# Altium PCB ESP32_S3_PCB.PcbDoc
Units mm, origin at the board's own origin, x right, y up, seen from the top; angles counter-clockwise.
Board outline 63.88 x 28.17 mm, 4 copper layers (Top Layer, GND, Power, Bottom Layer), stack 1.28 mm thick; 47 components, 55 nets, 237 pads, 120 vias.
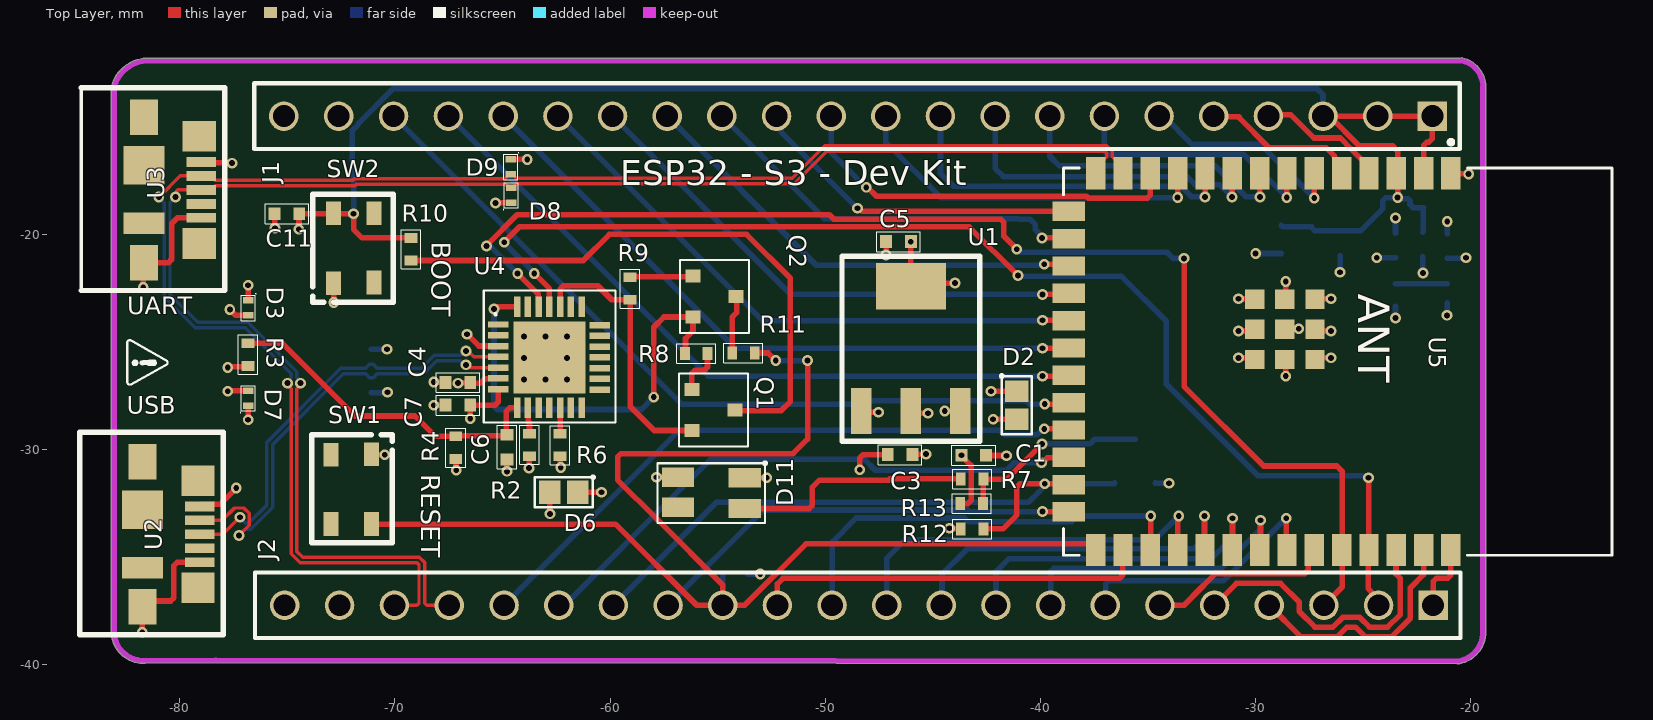
[diagram p0: Top Layer view]
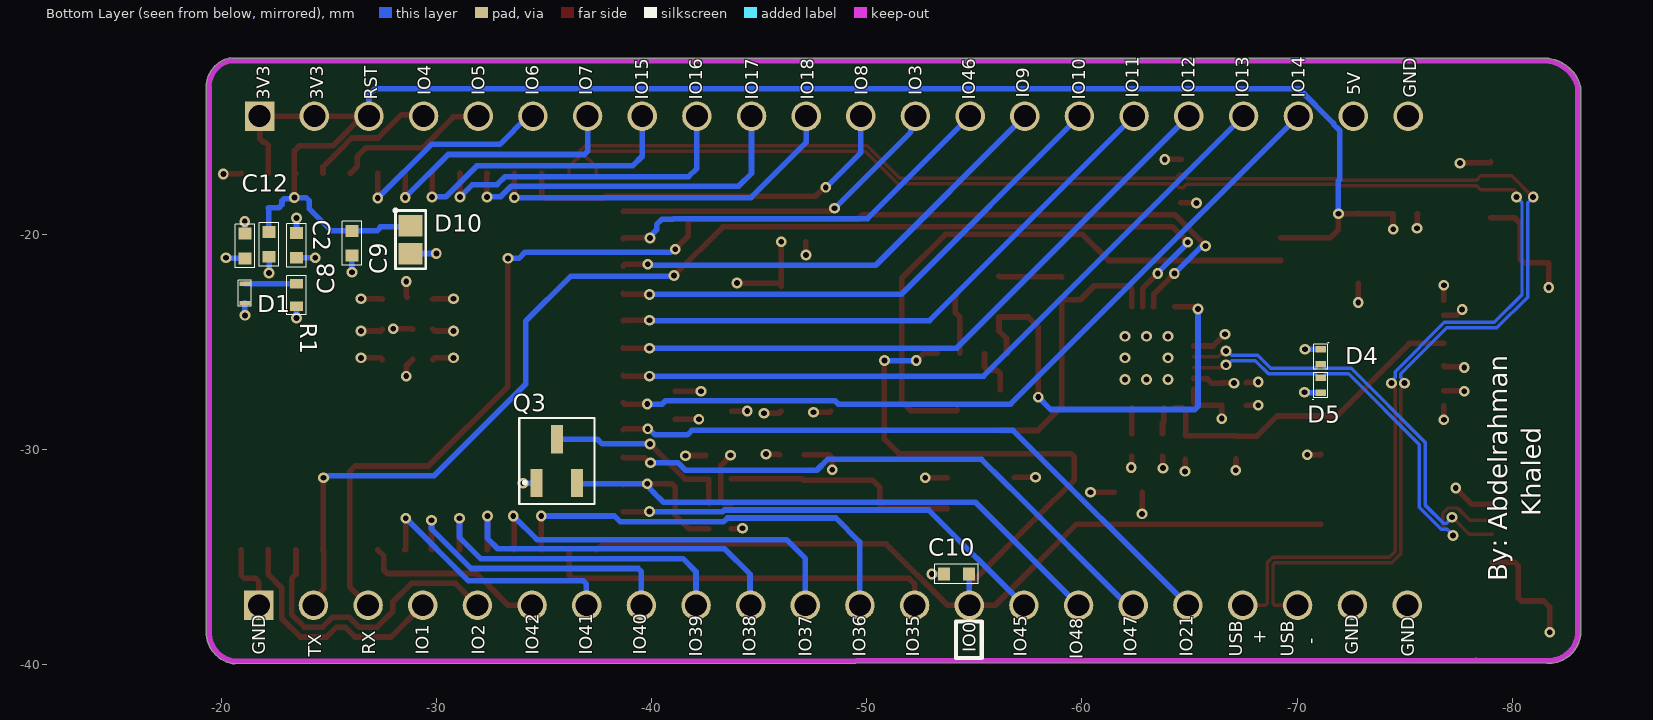
[diagram p1: Bottom Layer view, seen from below]
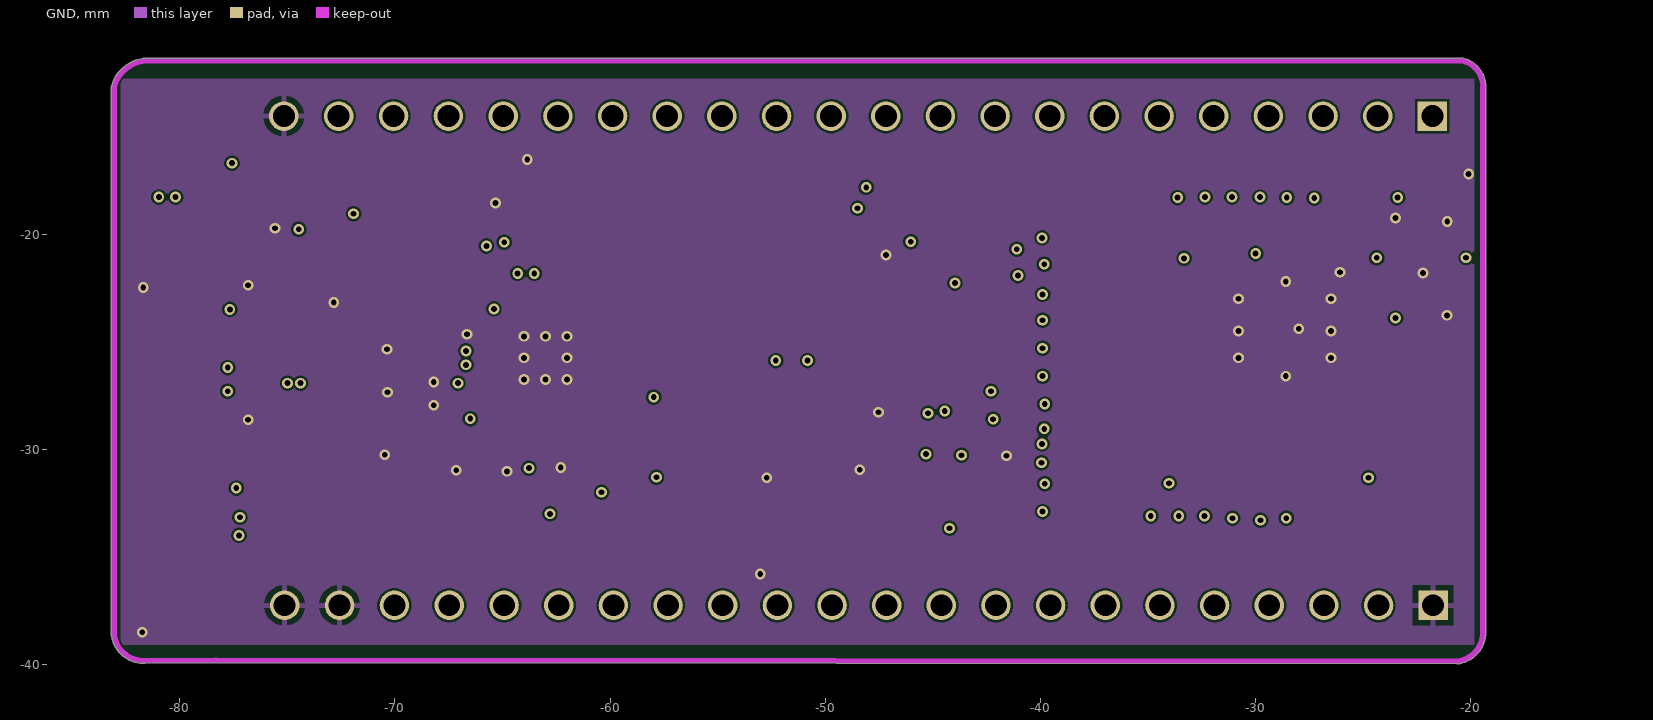
[diagram p2: GND]
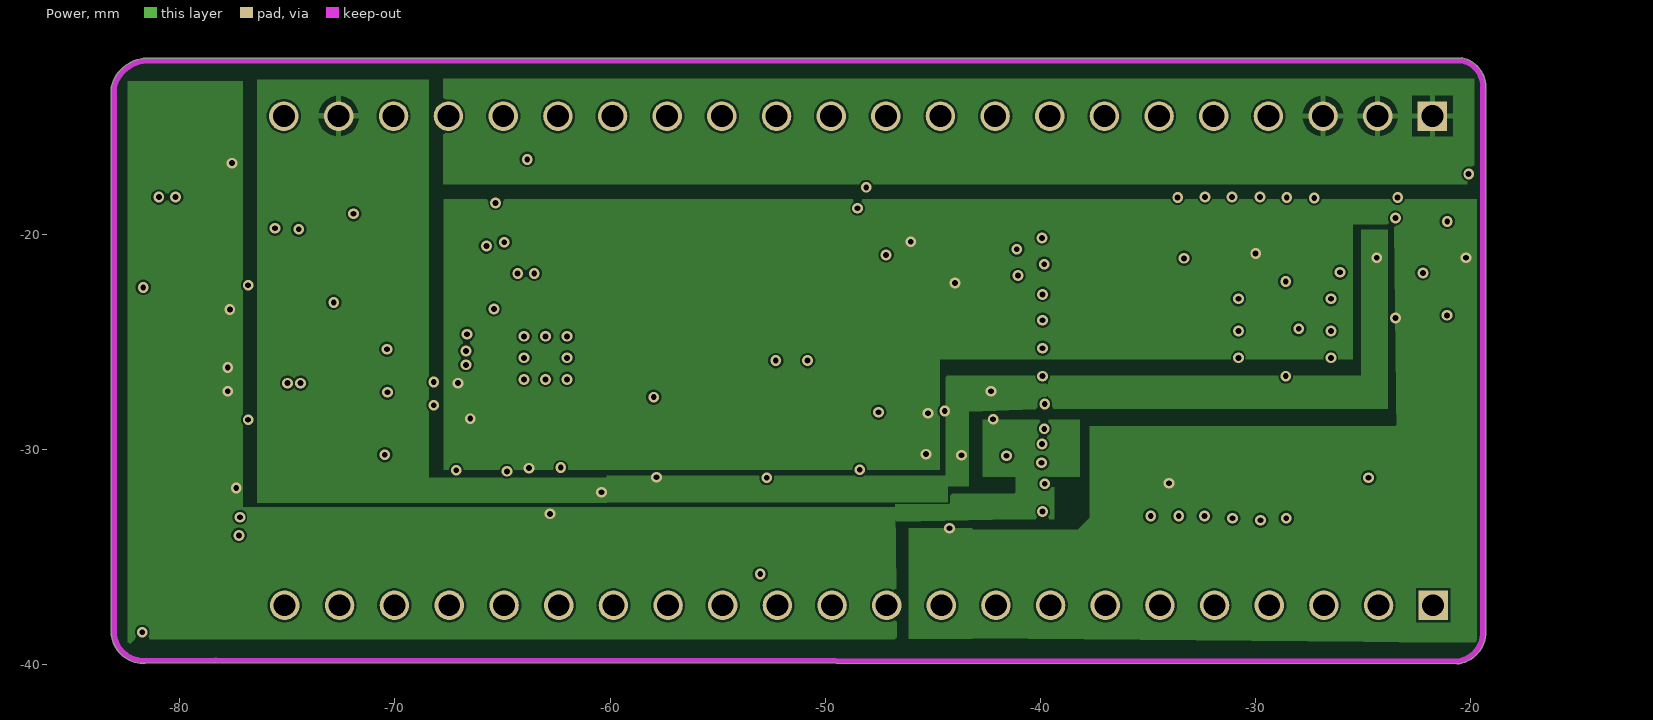
[diagram p3: Power]
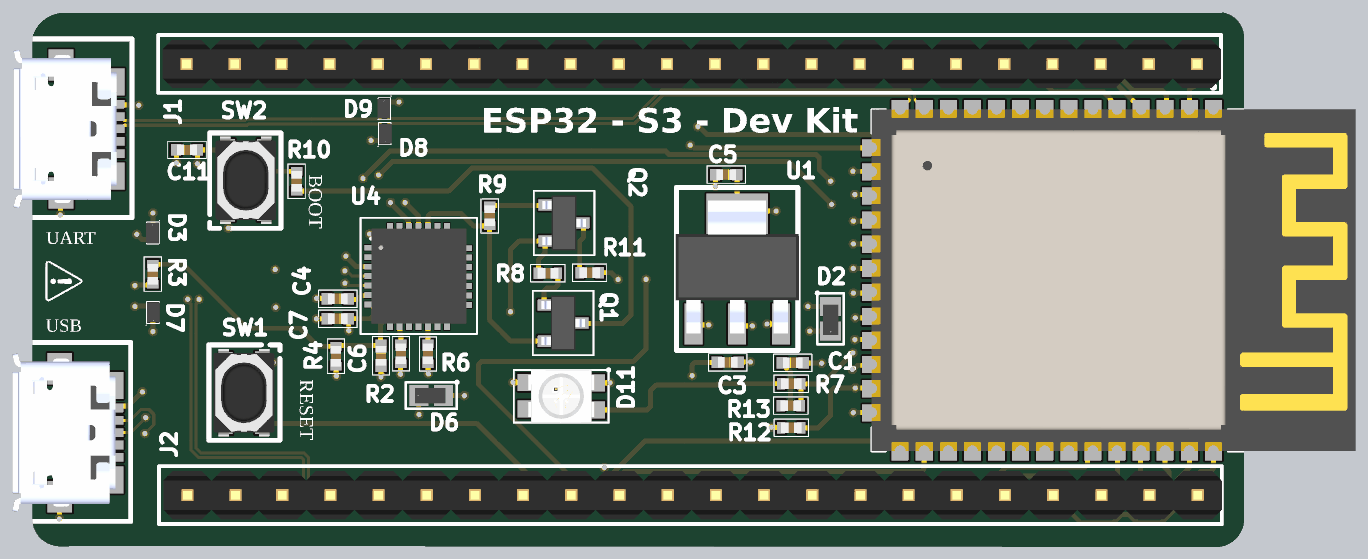
[diagram p4: 3D render of the assembled board from above, using the file's embedded part models]
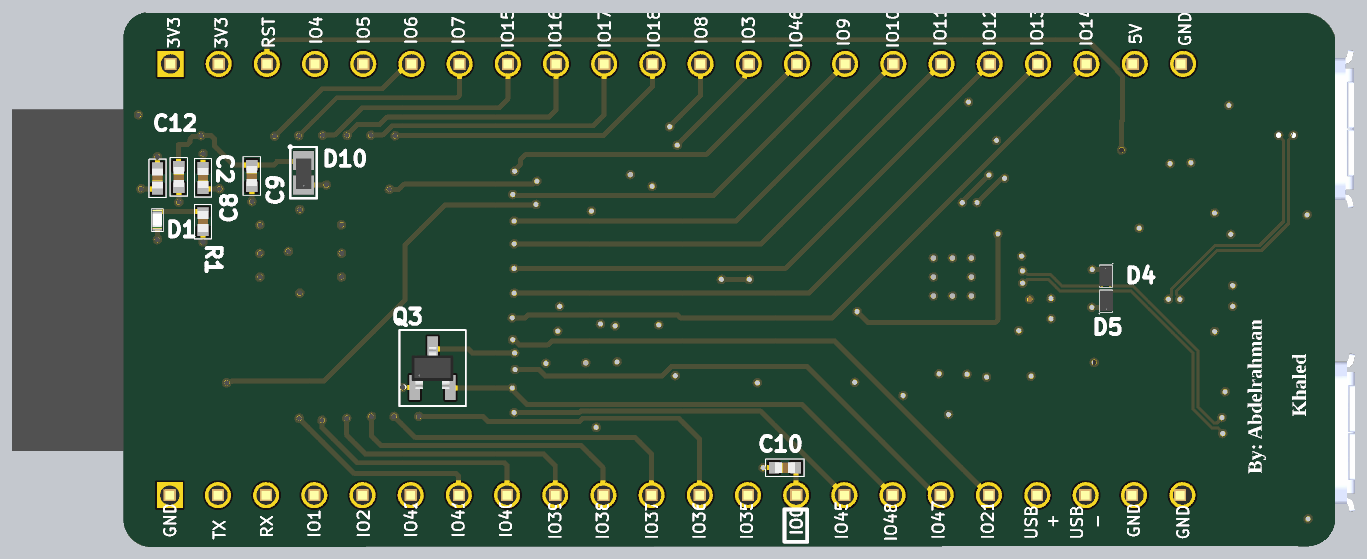
[diagram p5: 3D render of the assembled board from below, using the file's embedded part models]

## Layer stack, top to bottom
Top Solder: solder mask 0.0102, Solder Resist, Dk 3.5
Top Layer: signal copper 0.05
Dielectric 2: prepreg 0.19, PP-006, Dk 4.45
GND: signal copper 0.03
Dielectric 1: core 0.74, FR-4, Dk 4.6
Power: signal copper 0.03
Dielectric 3: prepreg 0.19, PP-006, Dk 4.45
Bottom Layer: signal copper 0.05
Bottom Solder: solder mask 0.0102, Solder Resist, Dk 3.5

## Board outline
-83.177,-38.613 ccw(c-81.699,-38.46) -81.604,-39.943 -78.325,-39.927 -20.65,-39.977 -20.637,-39.977 ccw(c-20.79,-38.499) -19.304,-38.499 -19.307,-38.404 -19.307,-13.184 -19.302,-13.148 ccw(c-20.678,-13.158) -20.409,-11.809 -20.496,-11.823 -81.548,-11.823 -81.555,-11.823 ccw(c-81.48,-13.575) -83.173,-13.117 -83.177,-13.15 -83.177,-33.45

## Design rules (kind name [scope] priority, off if disabled: settings)
Clearance [All] p1: gap=0.1 ignorepadtopadclearanceinfootprint=FALSE
DiffPairsRouting DiffPairs_90_Routing [InDifferentialPairClass('Diff_90_ohm')] p1: maxlimit=0.16 minlimit=0.1 mostfreqgap=0.16 toplayer_maxgap=0.1 toplayer_prefgap=0.1 toplayer_minwidth=0.16 toplayer_maxwidth=0.16 toplayer_prefwidth=0.16 midlayer1_mingap=0.16 midlayer1_minwidth=0.125 midlayer1_maxwidth=0.125 midlayer1_prefwidth=0.125 midlayer2_mingap=0.16 midlayer2_minwidth=0.125 midlayer2_maxwidth=0.125 midlayer2_prefwidth=0.125 bottomlayer_maxgap=0.1 bottomlayer_prefgap=0.1 bottomlayer_minwidth=0.16 bottomlayer_maxwidth=0.16 bottomlayer_prefwidth=0.16 impedanceprofiledriven=TRUE impedanceprofileid={B386333D-F82F-4E10-B825-36AB68D4E559} impedanceprofilevalue=90.000000 maxuncoupledlength=12.7
HoleSize [All] p1: absolutevalues=TRUE maxlimit=2.54 minlimit=0.25 maxpercent=80.000 minpercent=20.000
MinimumSolderMaskSliver [All] p1: minsoldermaskwidth=0.1
PolygonConnect [All] p1: connectstyle=Relief reliefconductorwidth=0.254 reliefentries=4 polygonreliefangle="90 Angle" airgapwidth=0.254
RoutingVias [All] p1: holewidth=0.25 width=0.2 viastyle="Through Hole" minholewidth=0.25 minwidth=0.25 maxholewidth=0.27 maxwidth=1
SilkToSilkClearance [All] p1: silktosilkclearance=0.1
SilkToSolderMaskClearance [IsPad] p1: minsilkscreentomaskgap=0.1 clearancetoexposedcopper=TRUE
SolderMaskExpansion [All] p1: expansion=0.102 istentingtop=FALSE
Width Width_50R [All] p1: maxlimit=0.26 minlimit=0.26 preferedwidth=0.26 impedanceprofiledriven=TRUE impedanceprofileid={A41E1BAF-7822-42F6-9BFD-9BD977077616} impedanceprofilevalue=50.000000 minimp=50.000000 maximp=50.000000 favimp=50.000000
25 further rules are at their usual default settings.

## Classes and differential pairs
component class U_USB_UART_Converter: C5 C6 D2 D3 D4 D5 R2 R3 R4 R6 U2 U4
component class U_USB_Communication_Sheet: D7 D8 D9 U3
component class U_RGB_Logical_Shifter_Sheet: D11 Q3 R7 R12 R13
component class U_Microcontroller_ESP32_S3: C12 J1 J2 U5
component class U_LDO_Sheet: C1 C2 C3 C4 D1 R1 U1
differential pair class Diff_90_ohm: USB USB_SC
component class U_Microcontroller's_Prephirals_Sheet: C7 C8 C9 C10 C11 D10 Q1 Q2 R8 R9 R10 R11 SW1 SW2
differential pair USB: +USB_P -USB_N
differential pair USB_SC: +USB_SC_P -USB_SC_N

## Components (designator, comment, footprint, x,y, rotation, side; value= is the part's Value field where it differs from the comment)
C1 "10 uF" Capacitor -43.1,-30.275 r180 top
C2 "0.1 uF" Capacitor -23.5,-20.525 r270 bottom
C3 "10 uF" Capacitor -46.525,-30.25 r0 top
C4 "0.1 uF" Capacitor -67.075,-26.9 r0 top
C5 "0.1 uF" Capacitor -46.6,-20.35 r0 top
C6 "1 uF" Capacitor -64.8,-29.9 r90 top
C7 "10 uF" Capacitor -67.075,-27.95 r0 top
C8 "0.1 uF" Capacitor -21.1,-20.55 r270 bottom
C9 "1 uF" Capacitor -26.075,-20.425 r90 bottom
C10 "0.1 uF" Capacitor -54.175,-35.8 r0 bottom
C11 "0.1 uF" Capacitor -75.025,-19.05 r180 top
C12 "1 uF" Capacitor -22.225,-20.475 r90 bottom
D1 "Red Led" Led -21.1,-22.75 r270 bottom
D2 "0.2V Drop Volt" "Schoktty Diode" -41.1,-28 r90 top
D3 "TVS Diode" "TVS Diode" -76.825,-23.075 r270 top
D4 "TVS Diode" "TVS Diode" -71.1,-25.35 r270 bottom
D5 "TVS Diode" "TVS Diode" -71.1,-27.375 r90 bottom
D6 "0.2V Drop Volt" "Schoktty Diode" -62.2,-32 r0 top
D7 "TVS Diode" "TVS Diode" -76.825,-27.975 r90 top
D8 "TVS Diode" "TVS Diode" -64.6,-18.55 r90 top
D9 "TVS Diode" "TVS Diode" -64.625,-16.525 r270 top
D10 "0.2V Drop Volt" "Schoktty Diode" -28.8,-20.3 r90 bottom
D11 "RGB" RGB -55.3,-32.025 r0 top
J1 "Header 1x22" "Header 1xx22" -48.478,-14.516 r270 top
J2 "Header 1x22" "Header 1xx22" -48.438,-37.249 r270 top
Q1 "NPN Transistor" "NPN Transistor" -55.2,-28.175 r270 top
Q2 "NPN Transistor" "NPN Transistor" -55.15,-22.9 r270 top
Q3 "MOSFET_BSS138" MOSFET_BSS138 -35.6,-30.55 r180 bottom
R1 "220R" Resistor -23.5,-22.825 r90 bottom
R2 "220R" Resistor -63.75,-29.8 r270 top
R3 "22.1Kohm" Resistor -76.825,-25.6 r270 top
R4 "47.5Kohm" Resistor -67.175,-29.925 r270 top
R6 "47.5Kohm" Resistor -62.325,-29.8 r90 top
R7 "0 ohm" Resistor -43.175,-31.375 r0 top
R8 "10 Kohm" Resistor -56,-25.55 r0 top
R9 "10 Kohm" Resistor -59.075,-22.525 r90 top
R10 "0 ohm" Resistor -69.25,-20.7 r90 top
R11 "0 ohm" Resistor -53.8,-25.525 r0 top
R12 "10K ohm" Resistor -43.175,-33.7 r180 top
R13 "10K ohm" Resistor -43.2,-32.525 r180 top
SW1 "Push Button" "Push Button" -72,-31.85 r270 top
SW2 "Push Button" "Push Button" -71.95,-20.65 r90 top
U1 "Regulator LDO 3.3V" "Regulator 3.3V" -46.025,-25.325 r0 top
U2 "USB_B Micro" USB8_Micro -80.402,-33.954 r270 top
U3 "USB_B Micro" USB8_Micro -80.335,-17.945 r270 top
U4 "CP2102N" CP2102N -62.8,-25.7 r0 top
U5 "ESP32-S3-WROOM-1" ESP32-S3-WROOM-1-N4 -26.183,-25.925 r270 top

## Footprints (in the part's own frame and the unit in brackets; to place one, negate y for a bottom-side part, rotate by r counter-clockwise, add the part's x,y. Pads: shape width x height; smd on the part's side, far side on the other; paste and mask are expansions set on the pad)
Capacitor [mm]
  rect 0.55x0.6 smd: 1(-0.575,0) 2(0.575,0)
  silkscreen extent -1.01,-0.46 1.02,0.46, body extent -0.52,-0.28 0.52,0.28, height 0.56
CP2102N [mm] "IC USB TO UART BRIDGE QFN20"
  rect 0.95x0.3 smd mask+0.05: 1(-2.4,1.5) 2(-2.4,1) 3(-2.4,0.5) 4(-2.4,0) 5(-2.4,-0.5) 6(-2.4,-1) 7(-2.4,-1.5) 15(2.325,-1.525) 16(2.325,-1.025) 17(2.325,-0.525) 18(2.325,-0.025) 19(2.325,0.475) 20(2.325,0.975) 21(2.325,1.475)
  rect 0.3x0.95 smd mask+0.05: 8(-1.525,-2.375) 9(-1.025,-2.375) 10(-0.525,-2.375) 11(-0.025,-2.375) 12(0.475,-2.375) 13(0.975,-2.375) 14(1.475,-2.375) 22(1.475,2.325) 23(0.975,2.325) 24(0.475,2.325) 25(-0.025,2.325) 26(-0.525,2.325) 27(-1.025,2.325) 28(-1.525,2.325)
  rect 3.35x3.35 smd mask+0.05: ""(-0.025,-0.025)
  silkscreen extent -3.08,-3.05 3.05,3.08, body extent -2.5,-2.5 2.5,2.5, height 0.81
ESP32-S3-WROOM-1-N4 [mm] "RF TXRX MOD BT WIFI PCB TH SMD"
  rect 1.5x0.9 smd: 1(-8.75,5.26) 2(-8.75,3.99) 3(-8.75,2.72) 4(-8.75,1.45) 5(-8.75,0.18) 6(-8.75,-1.09) 7(-8.75,-2.36) 8(-8.75,-3.63) 9(-8.75,-4.9) 10(-8.75,-6.17) 11(-8.75,-7.44) 12(-8.75,-8.71) 13(-8.75,-9.98) 14(-8.75,-11.25) 27(8.75,-11.25) 28(8.75,-9.98) 29(8.75,-8.71) 30(8.75,-7.44) 31(8.75,-6.17) 32(8.75,-4.9) 33(8.75,-3.63) 34(8.75,-2.36) 35(8.75,-1.09) 36(8.75,0.18) 37(8.75,1.45) 38(8.75,2.72) 39(8.75,3.99) 40(8.75,5.26)
  rect 0.9x1.5 smd: 15(-6.985,-12.5) 16(-5.715,-12.5) 17(-4.445,-12.5) 18(-3.175,-12.5) 19(-1.905,-12.5) 20(-0.635,-12.5) 21(0.635,-12.5) 22(1.905,-12.5) 23(3.175,-12.5) 24(4.445,-12.5) 25(5.715,-12.5) 26(6.985,-12.5)
  rect 0.9x0.9 smd: ""(-2.9,-2.46) ""(-2.9,-1.06) ""(-2.9,-3.86) ""(-1.5,-1.06) ""(-1.5,-2.46) ""(-1.5,-3.86) ""(-0.1,-1.06) ""(-0.1,-2.46) ""(-0.1,-3.86)
  silkscreen extent -10.3,-12.75 9,12.75, body extent -9.02,-12.75 8.98,12.75, height 3.1
"Header 1xx22" [mm]
  rect 1.37x1.37 hole 1.02: 01(0,26.69)
  round 1.37 hole 1.02: 02(0,24.15) 03(0,21.61) 04(0,19.07) 05(0,16.53) 06(0,13.99) 07(0,11.45) 08(0,8.91) 09(0,6.37) 10(0,3.83) 11(0,1.29) 12(0,-1.25) 13(0,-3.79) 14(0,-6.33) 15(0,-8.87) 16(0,-11.41) 17(0,-13.95) 18(0,-16.49) 19(0,-19.04) 20(0,-21.59) 21(0,-24.14) 22(0,-26.69)
  silkscreen extent -1.53,-28.07 1.53,27.96, body extent -1.27,-27.84 1.27,27.96, height 6
Led [mm]
  rect 0.2x0.5 smd mask+0.02: 1(0.45,0) 2(-0.45,0)
  silkscreen extent -0.6,-0.3 0.6,0.3, body extent -0.52,-0.25 0.48,0.25, height 0.5
MOSFET_BSS138 [mil]
  rect 22x52 smd: D(0,40) G(-37,-40) S(37,-40)
  silkscreen extent -69,-79 69,79, body extent -43,-43 43,43, height 39
"NPN Transistor" [mm] "TRANS PREBIAS NPN 50V TO236AB"
  rect 0.6x0.7 smd: 1(-0.95,-1) 2(0.95,-1) 3(0,1)
  silkscreen extent -1.7,-1.6 1.7,1.6, body extent -1.45,-1.15 1.45,1.15, height 1.01
"Push Button" [mm] "SWITCH TACTILE SPST-NO 0.05A 12V"
  rect 1.1x0.7 smd: 1(-1.625,0.9) 2(1.625,0.9) 3(-1.6,-0.975) 4(1.625,-0.975)
  silkscreen extent -2.53,-1.88 2.5,1.88, body extent -2.3,-1.63 2.3,1.57, height 2.51
"Regulator 3.3V" [mm]
  rect 0.95x2.15 smd: 1(-2.3,-2.9) 2(0,-2.9) 3(2.3,-2.9)
  rect 3.25x2.15 smd: 2(0,2.9)
  silkscreen extent -3.2,-4.3 3.2,4.3, body extent -3.25,-3.4 3.25,3.6, height 1.75
Resistor [mm]
  rect 0.45x0.6 smd: 1(-0.525,0) 2(0.525,0)
  silkscreen extent -0.91,-0.46 0.9,0.46, body extent -0.55,-0.28 0.55,0.28, height 0.36
RGB [mm]
  rect 1.5x0.9 smd: 1(1.55,0.7) 2(1.55,-0.725) 3(-1.55,0.725) 4(-1.55,-0.675)
  silkscreen extent -2.5,-1.4 2.51,1.38, body extent -1.75,-1.4 1.75,1.4, height 1.92
"Schoktty Diode" [mm]
  rect 1x1.1 smd mask+0.02: 1(0.7,0) 2(-0.6,0)
  silkscreen extent -1.3,-0.7 1.41,0.71, body extent -0.8,-0.41 0.8,0.41, height 0.31
"TVS Diode" [mm]
  rect 0.3x0.5 smd mask+0.04: 1(0,0) 2(0.7,0)
  silkscreen extent -0.32,-0.33 0.94,0.37, body extent -0.17,-0.36 0.88,0.3, height 0.56
USB8_Micro [mm]
  rect 0.45x1.38 smd: 1(-1.3,1.33) 2(-0.65,1.33) 3(0,1.33) 4(0.65,1.33) 5(1.3,1.33)
  rect 1.65x1.3 smd: 6(3.375,-1.33) S3(-3.375,-1.33)
  rect 1.425x1.55 smd: S1(-2.488,1.245) S2(2.488,1.245)
  rect 1.8x1.9 smd: S4(-1.15,-1.33)
  rect 1x1.9 smd: S5(1.55,-1.33)
  silkscreen extent -4.75,-4.24 4.67,2.41, body extent -4.18,-3.83 4.18,1.6, height 2.71

## Part data
C1 C2 C3 C4 C5 C6 C7 C8 C9 C10 C11 C12: library part Capacitor
D1: library part LED, "https://www.digikey.com/en/products/detail/yongyu-optoelectronics/YY0402BL-NN3S0-T1AR4/25558564?s=N4IgjCBcoLQCxVAYygMwIYBsDOBTANCAPZQDaIAnAMxhwQC6AvoTAGyIgqQAuATgK4FiZEFRBNmIAEwiqAOioA1AAQB5AHLKAMgFEAIuMZA"
D2 D6 D10: library part "Schottky Diode", "NRVB120ESFT1G", ComponentLink1Description=Link, ComponentLink1URL=https://www.digikey.com/en/products/detail/onsemi/NSR20F40NXT5G/5801655
D11: "LED RGB CLEAR 3528 SMD"
Q1 Q2: "TRANS PREBIAS NPN 50V TO236AB", Links=https://www.digikey.com/en/products/detail/nexperia-usa-inc/PDTD114ETR/5035778
Q3: "MOSFET N-CH 50V 220MA SOT23", Link=https://www.digikey.com/en/products/detail/micro-commercial-co/BSS138-TP/10054628
R1 R2 R3 R4 R6 R8 R9 R10 R11: library part Resistance
R7 R12 R13: library part Resistance, "Fuse Reseitance"
U5: "2.4 GHz Wi-Fi (802.11b/g/n) and Bluetooth® 5 module /  Built around ESP32-S3 series of SoCs, Xtensa® dual-core 32-bit LX7 microprocessor /  Flash up to 16 MB, PSRAM up to 16 MB /  Up to 36 GPIOs, rich set of peripherals /  On-board PCB antenna or external antenna connector", ComponentLink1Description=Links, ComponentLink1URL=https://docs.espressif.com/projects/esp-dev-kits/en/latest/esp32s3/esp32-s3-devkitc-1/user_guide_v1.0.html#hardware-reference
SW1 SW2: Links=https://www.digikey.com/en/products/detail/w%C3%BCrth-elektronik/434133025816/9950810

## Via types
v1: diameter 0.5, hole 0.27, Top Layer to Bottom Layer, tented both sides, 120 vias

## Nets (pads, with @x,y where several pads share a name; then routed paths per layer and width w, separated by ;. In a path a pad name is that pad's centre, name@x,y a point inside that pad or via, vN(x,y) a via of type N, cw(c..) or ccw(c..) an arc to the next point about the centre after c; other vN are vias at no path point)
Chip_En: C9.2 C11.1 C12.2 D10.1 J1.01 J1.02 J1.03 R10.2 SW2.2 U5.2 U5.3 | length 80.8
  Top Layer w0.26: v1(-74.475,-19.775) -74.463,-19.763 -74.463,-19.062 C11.1 -72.875,-19.05 SW2.2 -72.825,-19.05 v1(-71.925,-19.05) -71.925,-19.775 -71.525,-20.175 R10.2 ; J1.03 J1.03@-26.57,-14.516 ; v1(-23.4,-18.3) -23.4,-17.238 U5.3 -23.4,-17.112 -23.4,-16.127 -23.627,-15.9 -25.186,-15.9 J1.03@-26.57,-14.516 ; U5.2 -22.193,-15.877 -22.041,-15.725 -21.952,-15.725 -21.8,-15.573 -21.8,-14.528 J1.01 J1.02 J1.03@-26.57,-14.516
  Bottom Layer w0.26: v1(-71.925,-19.05) -71.925,-17.524 -71.979,-17.47 -71.979,-15.171 -71.703,-14.895 -71.703,-14.857 -70.087,-13.241 -27.142,-13.241 -26.868,-13.515 J1.03 ; D10.1 -28.748,-19.652 -27.4,-19.652 -27.4,-19.698 -27.248,-19.85 C9.2 -25.125,-19.85 -24.1,-18.825 -24.1,-18.452 -23.948,-18.3 v1(-23.4,-18.3) -23.354,-18.346 -22.931,-18.346 -22.825,-18.452 -22.825,-18.623 -22.673,-18.775 -22.2,-18.775 -22.213,-18.788 -22.213,-19.888 C12.2
DTR: Q2.2 R8.1 U4.28 | length 20.5
  Top Layer w0.26: v1(-65.4,-23.475) -65.335,-23.475 -65.235,-23.375 U4.28 ; v1(-57.975,-27.575) -57.975,-24.325 -57.5,-23.85 Q2.2 -56.15,-24.5 -56.5,-24.85 -56.5,-25.525 R8.1
  Bottom Layer w0.26: v1(-65.4,-23.475) -65.4,-27.998 -65.248,-28.15 -58.55,-28.15 v1(-57.975,-27.575)
GND: C1.1 C2.1 C3.1 C4.1 C5.1 C6.1 C7.1 C8.1 C9.1 C10.2 C11.2 C12.1 D1.1 D3.1 D4.1 D5.1 D7.1 D8.1 D9.1 D11.1 J1.22 J2.01 J2.21 J2.22 R4.2 R6.1 SW1.1 SW2.1 U1.1 U2.5 U2.6 U3.5 U3.6 U4. U4.3 U5. U5.1 U5.40 | length 44.1
  Top Layer w0.26: v1(-81.75,-38.5) -81.75,-37.347 -81.455,-37.052 -80.427,-37.052 -80.275,-36.9 -80.275,-35.406 -80.123,-35.254 U2.5 ; v1(-81.7,-22.475) -81.7,-21.355 U3.6 -80.527,-21.32 -80.375,-21.168 -80.375,-19.5 -80.12,-19.245 U3.5 ; v1(-76.825,-28.625) D7.1 ; D3.1 v1(-76.825,-22.375) ; C11.2 -75.587,-19.063 -75.587,-19.713 v1(-75.575,-19.725) ; v1(-72.85,-23.175) SW2.1 ; SW1.1 -71.075,-30.25 v1(-70.475,-30.25) ; v1(-68.2,-27.95) C7.1 ; v1(-68.2,-26.875) -68.188,-26.888 -67.663,-26.888 C4.1 ; R4.2 -67.162,-30.463 -67.162,-30.963 v1(-67.15,-30.975) ; v1(-66.65,-24.65) -66.1,-25.2 U4.3 ; v1(-65.325,-18.55) D8.1 ; v1(-64.8,-31.025) C6.1 ; D9.1 v1(-63.85,-16.525) ; R6.1 -62.313,-30.338 -62.313,-30.837 v1(-62.3,-30.85) ; D11.1 v1(-52.725,-31.325) ; v1(-48.4,-30.95) -48.4,-30.402 -48.248,-30.25 C3.1 ; U1.1 -48.275,-28.275 v1(-47.525,-28.275) ; v1(-47.175,-20.965) C5.1 ; C1.1 -42.513,-30.288 -41.587,-30.288 v1(-41.575,-30.3) ; v1(-30.8,-25.75) -29.918,-25.75 U5.@-29.843,-25.825 ; v1(-30.8,-24.5) -29.918,-24.5 U5.@-29.843,-24.425 ; v1(-30.8,-23) -29.868,-23 U5.@-29.843,-23.025 ; U5.@-28.893,-25.825 -28.6,-26.118 v1(-28.6,-26.6) ; U5.@-28.893,-24.425 -28.868,-24.4 v1(-28,-24.4) ; U5.@-28.643,-22.925 -28.6,-22.882 v1(-28.6,-22.2) ; U5.@-27.493,-25.825 -27.418,-25.75 v1(-26.5,-25.75) ; U5.@-27.493,-24.425 -27.418,-24.5 v1(-26.5,-24.5) ; U5.@-27.493,-23.025 -27.468,-23 v1(-26.5,-23) ; J2.01 -21.748,-36.152 -21.596,-36 -21.077,-36 -20.925,-35.848 -20.925,-34.677 U5.40 ; U5.1 -20.898,-17.2 v1(-20.1,-17.2)
  Bottom Layer w0.26: D5.1 -71.087,-27.363 -70.362,-27.363 v1(-70.35,-27.35) ; D4.1 v1(-70.375,-25.35) ; C10.2 v1(-53.025,-35.8) ; v1(-26.075,-21.775) C9.1 ; C2.1 v1(-23.5,-19.25) ; v1(-22.225,-21.8) C12.1 ; v1(-21.1,-23.775) D1.1 ; C8.1 -21.097,-19.972 -21.097,-19.411 v1(-21.094,-19.408)
  other v1: -64,-26.75 -63,-26.75 -62,-26.75 -64,-25.75 -62,-25.75 -64,-24.75 -63,-24.75 -62,-24.75
GPIO0: C10.1 J2.14 R11.2 SW1.2 U5.27 | length 62.3
  Top Layer w0.26: SW1.2 -59.75,-33.475 -55.976,-37.249 J2.14 ; R11.2 -52.66,-25.525 -52.31,-25.875 v1(-52.3,-25.875) ; v1(-50.825,-25.875) -50.825,-29.525 -51.5,-30.2 -59.498,-30.2 -59.65,-30.352 -59.65,-31.425 -57.83,-33.245 -54.768,-36.307 J2.14 ; U5.27 -37.753,-34.398 -50.898,-34.398 -53.749,-37.249 J2.14
  Bottom Layer w0.26: J2.14 -54.759,-37.24 -54.759,-35.809 C10.1 ; v1(-52.3,-25.875) v1(-50.825,-25.875)
GPIO1: J2.04 U5.39 | length 11.3
  Top Layer w0.26: J2.04 -27.893,-38.724 -26.217,-38.724 -25.757,-38.264 -25.359,-38.264 -24.899,-38.724 -23.677,-38.724 -22.813,-37.86 -22.813,-36.438 -22.193,-35.818 U5.39
GPIO2: J2.05 U5.38 | length 13.9
  Top Layer w0.26: J2.05 -30.893,-36.234 -28.841,-36.234 -27.975,-37.1 -27.975,-37.537 -27.248,-38.264 -26.408,-38.264 -25.948,-37.804 -25.168,-37.804 -24.708,-38.264 -23.868,-38.264 -23.273,-37.669 -23.273,-36.002 -23.475,-35.8 -23.475,-34.687 U5.38
GPIO3: J1.13 U5.15 | length 15.7
  Top Layer w0.26: v1(-48.5,-18.8) -48.435,-18.8 -48.295,-18.94 U5.15
  Bottom Layer w0.26: J1.13 -52.056,-14.728 -52.056,-15.244 v1(-48.5,-18.8)
GPIO4: J1.04 U5.4 | length 6
  Top Layer w0.26: J1.04 -29.336,-14.444 -28.375,-14.444 -27.288,-15.531 -26.064,-15.531 -25.558,-16.036 -25.558,-16.05 -24.733,-16.875 U5.4
GPIO5: J1.05 U5.5 | length 7.3
  Top Layer w0.26: J1.05 -31.912,-14.552 -30.775,-14.552 -30.775,-14.584 -29.368,-15.991 -26.712,-15.991 -26.35,-16.353 -26.35,-16.403 -26.323,-16.43 -26.323,-16.855 U5.5
GPIO6: J1.06 U5.6 | length 9.9
  Top Layer w0.26: v1(-27.275,-18.325) -27.275,-17.177 U5.6
  Bottom Layer w0.26: J1.06 -34.259,-14.516 -32.95,-15.825 -29.775,-15.825 v1(-27.275,-18.325)
GPIO7: J1.07 U5.7 | length 12.1
  Top Layer w0.26: v1(-28.55,-18.3) -28.55,-17.182 U5.7
  Bottom Layer w0.26: J1.07 -37.028,-16.148 -36.876,-16.3 -30.55,-16.3 v1(-28.55,-18.3)
GPIO8: J1.12 U5.12 | length 18.5
  Top Layer w0.26: v1(-48.1,-17.825) -48.035,-17.825 -47.623,-18.237 -37.86,-18.237 -37.773,-18.325 -35.045,-18.325 -34.893,-18.173 U5.12
  Bottom Layer w0.26: J1.12 -49.728,-16.197 v1(-48.1,-17.825)
GPIO9: J1.15 U5.17 | length 21.6
  Top Layer w0.26: v1(-39.825,-21.4) -38.763,-21.4 U5.17
  Bottom Layer w0.26: J1.15 -50.419,-21.445 -39.87,-21.445 v1(-39.825,-21.4)
GPIO10: J1.16 U5.18 | length 24.7
  Top Layer w0.26: v1(-39.9,-22.8) -38.733,-22.8 U5.18
  Bottom Layer w0.26: J1.16 -51.604,-22.8 v1(-39.9,-22.8)
GPIO11: J1.17 U5.19 | length 27.7
  Top Layer w0.26: v1(-39.9,-24) -38.703,-24 U5.19
  Bottom Layer w0.26: J1.17 -52.924,-24.02 -39.92,-24.02 v1(-39.9,-24)
GPIO12: J1.18 U5.20 | length 30.8
  Top Layer w0.26: v1(-39.9,-25.3) -38.693,-25.3 U5.20
  Bottom Layer w0.26: J1.18 -54.184,-25.3 v1(-39.9,-25.3)
GPIO13: J1.19 U5.21 | length 33.9
  Top Layer w0.26: v1(-39.9,-26.6) -38.723,-26.6 U5.21
  Bottom Layer w0.26: J1.19 -55.434,-26.6 v1(-39.9,-26.6)
GPIO14: J1.20 U5.22 | length 37.1
  Top Layer w0.26: v1(-39.8,-27.9) -38.753,-27.9 U5.22
  Bottom Layer w0.26: J1.20 -56.684,-27.9 -48.679,-27.9 -48.524,-27.745 -40.655,-27.745 -40.5,-27.9 v1(-39.8,-27.9)
GPIO15: J1.08 U5.8 | length 13.5
  Top Layer w0.26: U5.8 -29.8,-17.188 v1(-29.8,-18.275)
  Bottom Layer w0.26: J1.08 -39.568,-16.38 -39.123,-16.825 -31.875,-16.825 -30.44,-18.26 -29.815,-18.26 v1(-29.8,-18.275)
GPIO16: J1.09 U5.9 | length 15.1
  Top Layer w0.26: v1(-31.1,-18.279) -31.1,-17.192 U5.9
  Bottom Layer w0.26: J1.09 -42.108,-16.942 -41.725,-17.325 -33.2,-17.325 -32.825,-17.7 -31.675,-17.7 -31.1,-18.275 v1(-31.1,-18.279)
GPIO17: J1.10 U5.10 | length 16.5
  Top Layer w0.26: U5.10 -32.35,-17.178 v1(-32.35,-18.275)
  Bottom Layer w0.26: J1.10 -44.648,-17.177 -44.05,-17.775 -33.471,-17.775 -32.99,-18.256 -32.369,-18.256 v1(-32.35,-18.275)
GPIO18: J1.11 U5.11 | length 17
  Top Layer w0.26: v1(-33.625,-18.3) -33.625,-17.177 U5.11
  Bottom Layer w0.26: J1.11 -47.188,-15.737 -44.625,-18.3 v1(-33.625,-18.3)
GPIO21: J2.18 U5.23 | length 29.8
  Top Layer w0.26: v1(-39.825,-29.05) -38.733,-29.05 U5.23
  Bottom Layer w0.26: J2.18 -56.799,-29.12 -41.876,-29.12 -41.666,-29.33 -40.17,-29.33 -39.89,-29.05 v1(-39.825,-29.05)
GPIO35: J2.13 U5.28 | length 18.4
  Top Layer w0.26: J2.13 -52.228,-36.253 -51.975,-36 -36.327,-36 -36.175,-35.848 -36.175,-34.687 U5.28
GPIO36: J2.12 U5.29 | length 20
  Top Layer w0.26: U5.29 -34.875,-34.657 v1(-34.875,-33.1)
  Bottom Layer w0.26: J2.12 -49.675,-37.236 -49.675,-34.3 -48.568,-33.193 -43.528,-33.193 -43.346,-33.375 -38.551,-33.375 -38.276,-33.1 v1(-34.875,-33.1)
GPIO37: J2.11 U5.30 | length 18.2
  Top Layer w0.26: U5.30 -33.623,-33.148 v1(-33.575,-33.1)
  Bottom Layer w0.26: J2.11 -47.148,-35.073 -46.275,-34.2 -34.675,-34.2 v1(-33.575,-33.1)
GPIO38: J2.10 U5.31 | length 17
  Top Layer w0.26: v1(-32.375,-33.1) -32.375,-34.653 U5.31
  Bottom Layer w0.26: J2.10 -44.575,-37.216 -44.575,-35.8 -43.395,-34.62 -32.855,-34.62 -32.375,-34.14 v1(-32.375,-33.1)
GPIO39: J2.09 U5.32 | length 15.6
  Top Layer w0.26: U5.32 -31.075,-34.667 v1(-31.075,-33.2)
  Bottom Layer w0.26: J2.09 -42.068,-35.693 -41.455,-35.08 -32.055,-35.08 -31.075,-34.1 v1(-31.075,-33.2)
GPIO40: J2.08 U5.33 | length 13.9
  Top Layer w0.26: U5.33 -29.775,-34.637 v1(-29.775,-33.3)
  Bottom Layer w0.26: J2.08 -39.528,-35.692 -39.376,-35.54 -31.615,-35.54 -29.775,-33.7 v1(-29.775,-33.3)
GPIO41: J2.07 U5.34 | length 12.2
  Top Layer w0.26: v1(-28.575,-33.2) -28.575,-34.643 U5.34
  Bottom Layer w0.26: J2.07 -36.975,-37.236 -36.975,-36.252 -36.823,-36.1 -31.475,-36.1 v1(-28.575,-33.2)
GPIO42: J2.06 U5.35 | length 8.6
  Top Layer w0.26: J2.06 -33.324,-37.249 -32.923,-36.848 -32.923,-36.829 -31.868,-35.774 -27.71,-35.774 -27.558,-35.622 -27.558,-34.96 U5.35
GPIO45: J2.15 U5.26 | length 20.5
  Top Layer w0.26: v1(-39.9,-32.895) -38.698,-32.895 U5.26
  Bottom Layer w0.26: J2.15 -52.879,-32.82 -43.392,-32.82 -43.317,-32.895 v1(-39.9,-32.895)
GPIO46: J1.14 U5.16 | length 18.7
  Top Layer w0.26: v1(-39.925,-20.175) -38.718,-20.175 U5.16
  Bottom Layer w0.26: J1.14 -50.044,-19.28 -41.02,-19.28 -41,-19.3 -40.5,-19.3 -40.24,-19.56 -40.24,-19.795 -39.925,-20.11 v1(-39.925,-20.175)
GPIO47: J2.17 U5.24 | length 27
  Top Layer w0.26: v1(-39.95,-30.625) -39.912,-30.625 -39.687,-30.4 -38.713,-30.4 U5.24
  Bottom Layer w0.26: J2.17 -62.124,-37.249 -56.655,-31.78 -56.651,-31.78 -56.37,-31.499 -56.37,-31.495 -55.345,-30.47 -48.183,-30.47 -47.678,-30.975 -41.571,-30.975 -41.221,-30.625 v1(-39.95,-30.625)
GPIO48: J2.16 Q3.S R12.1 U5.25 | length 31.3
  Top Layer w0.26: R12.1 -41.75,-33.7 -41.1,-33.05 -41.1,-31.752 -40.948,-31.6 v1(-39.8,-31.6) -38.723,-31.6 U5.25
  Bottom Layer w0.26: J2.16 -55.059,-32.46 -40.56,-32.46 -40.1,-32 -39.92,-31.82 -39.92,-31.785 -39.8,-31.665 v1(-39.8,-31.6) -36.574,-31.6 Q3.S
NetC6_2: C6.2 R3.1 R4.1 U4.8 | length 15.5
  Top Layer w0.26: R3.1 -75.225,-25.075 -71.85,-28.45 -69.075,-28.45 -68.125,-29.4 R4.1 -67.137,-29.363 -64.838,-29.363 C6.2 -64.825,-29.3 -64.825,-28.227 -64.673,-28.075 U4.8
NetD1_2: D1.2 R1.2 | length 2.4
  Bottom Layer w0.26: R1.2 D1.2
NetD11_2: D11.2 R7.1 | length 11.1
  Top Layer w0.26: D11.2 -50.752,-32.75 -50.6,-32.598 -50.6,-31.76 -50.27,-31.43 -47.06,-31.43 -47.005,-31.375 R7.1
NetQ1_1: Q1.1 R8.2 | length 2.2
  Top Layer w0.26: Q1.1 -56.2,-26.477 -56.048,-26.325 -55.627,-26.325 -55.475,-26.173 R8.2
NetQ1_3: Q1.3 R10.1 | length 27.5
  Top Layer w0.26: R10.1 -61.25,-21.225 -60.035,-20.01 -53.665,-20.01 -51.625,-22.05 -51.625,-27.775 -52.05,-28.2 -54.175,-28.2 Q1.3
NetQ2_1: Q2.1 R9.2 | length 2.9
  Top Layer w0.26: R9.2 -59.05,-21.975 -56.175,-21.975 Q2.1
NetQ2_3: Q2.3 R11.1 | length 2.7
  Top Layer w0.26: R11.1 -54.325,-23.85 -54.125,-23.65 -54.125,-22.925 Q2.3
NetR2_1: R2.1 U4.9 | length 1.2
  Top Layer w0.26: U4.9 -63.805,-28.095 -63.805,-28.72 -63.75,-28.775 R2.1
NetR6_2: R6.2 U4.12 | length 1.2
  Top Layer w0.26: R6.2 U4.12
RGB_En: Q3.D R7.2 R13.1 | length 9
  Top Layer w0.26: R13.1 -42.663,-32.513 -42.663,-31.387 -41.562,-31.387 v1(-39.925,-29.75)
  Bottom Layer w0.26: v1(-39.925,-29.75) -37.7,-29.75 -37.484,-29.534 Q3.D
RTS: Q1.2 R9.1 U4.24 | length 12.7
  Top Layer w0.26: U4.24 -62.325,-22.552 -62.173,-22.4 -60.575,-22.4 -59.925,-23.05 R9.1 -59.075,-28 -57.95,-29.125 Q1.2
RXD0: J2.03 U4.26 U5.36 | length 59.7
  Top Layer w0.26: v1(-65.75,-20.55) -65.75,-20.521 -64.329,-19.1 -49.809,-19.1 -49.609,-19.3 -41.852,-19.3 -41.7,-19.452 -41.7,-20.1 v1(-41.1,-20.7) ; v1(-64.3,-21.825) -63.345,-22.78 -63.345,-23.355 U4.26 ; v1(-33.325,-21.125) -33.325,-27.075 -29.625,-30.775 -26.225,-30.775 -25.975,-31.025 -25.975,-36.396 J2.03
  Bottom Layer w0.26: v1(-65.75,-20.55) -65.704,-20.596 -65.529,-20.596 v1(-64.3,-21.825) ; v1(-41.1,-20.7) -41.035,-20.7 -40.885,-20.85 -34.108,-20.85 -33.833,-21.125 v1(-33.325,-21.125)
TXD0: J2.02 U4.25 U5.37 | length 57
  Top Layer w0.26: v1(-64.925,-20.375) -64.2,-19.65 -49.768,-19.65 -49.758,-19.66 -43.315,-19.66 v1(-41.05,-21.925) ; v1(-63.525,-21.825) -62.825,-22.525 U4.25 ; v1(-24.75,-31.325) -24.75,-34.658 U5.37 -24.775,-34.717 -24.775,-36.462 -24.288,-36.949 J2.02
  Bottom Layer w0.26: v1(-64.925,-20.375) -64.925,-20.4 -63.525,-21.8 v1(-63.525,-21.825) ; v1(-41.05,-21.925) -41.015,-21.96 -36.24,-21.96 -34.15,-24.05 -34.15,-26.975 -29.9,-31.225 -25.02,-31.225 -24.966,-31.279 -24.796,-31.279 v1(-24.75,-31.325)
USB_N: D5.2 U2.2 U4.5 | length 21.3
  Top Layer w0.16: U2.2 -78.034,-33.304 -77.458,-32.728 -77.03,-32.728 -76.778,-32.98 -76.778,-33.528 v1(-77.25,-34) ; v1(-66.7,-26.075) -66.608,-26.075 -66.483,-26.2 U4.5
  Bottom Layer w0.16: v1(-77.25,-34) -77.25,-33.973 -76.986,-33.709 -76.704,-33.709 -75.69,-32.695 -75.69,-29.775 -72.408,-26.493 -71.364,-26.493 -71.27,-26.586 -71.27,-26.605 -71.2,-26.675 D5.2 -71,-26.675 -70.93,-26.605 -70.93,-26.586 -70.836,-26.493 -68.675,-26.493 -68.062,-25.88 -66.964,-25.88 -66.769,-26.075 v1(-66.7,-26.075)
USB_P: D4.2 U2.3 U4.4 | length 19.7
  Top Layer w0.16: U2.3 -78.004,-33.954 v1(-77.208,-33.158) ; v1(-66.7,-25.425) -66.608,-25.425 -66.333,-25.7 U4.4
  Bottom Layer w0.16: v1(-77.208,-33.158) -77.208,-33.185 -76.945,-33.449 -76.812,-33.449 -75.95,-32.587 -75.95,-29.667 -72.515,-26.233 -71.364,-26.233 -71.27,-26.139 -71.27,-26.12 -71.2,-26.05 D4.2 -71,-26.05 -70.93,-26.12 -70.93,-26.139 -70.836,-26.233 -68.783,-26.233 -68.17,-25.62 -66.964,-25.62 -66.769,-25.425 v1(-66.7,-25.425)
USB_SC_N: D9.2 J2.20 U3.2 U5.13 | length 76.8
  Top Layer w0.16: v1(-80.975,-18.275) -80.964,-18.275 -79.984,-17.295 U3.2 -78.54,-17.295 -78.345,-17.49 -71.968,-17.49 -71.898,-17.42 -64.889,-17.42 -64.795,-17.326 -64.795,-17.295 -64.725,-17.225 D9.2 -64.525,-17.225 -64.455,-17.295 -64.455,-17.309 -64.361,-17.402 -51.544,-17.402 -50.033,-15.891 -36.914,-15.891 -36.668,-16.137 -36.668,-16.411 -36.574,-16.505 -36.533,-16.505 -36.163,-16.875 U5.13 ; v1(-74.99,-26.925) -74.99,-27.017 -74.82,-27.187 -74.82,-34.859 -74.404,-35.275 -68.977,-35.275 -68.883,-35.369 -68.883,-36.284 -68.883,-37.155 -68.977,-37.249 J2.20
  Bottom Layer w0.16: v1(-80.975,-18.275) -80.975,-18.281 -80.718,-18.539 -80.718,-22.925 -79.283,-24.36 -76.955,-24.36 -74.82,-26.495 -74.82,-26.663 -74.99,-26.833 v1(-74.99,-26.925)
USB_SC_P: D8.2 J2.19 U3.3 U5.14 | length 75.4
  Top Layer w0.16: v1(-80.2,-18.275) -80.135,-18.21 -80.135,-17.974 -80.106,-17.945 U3.3 -78.54,-17.945 -78.345,-17.75 -71.86,-17.75 -71.79,-17.68 -64.864,-17.68 -64.77,-17.774 -64.77,-17.78 -64.7,-17.85 D8.2 -64.5,-17.85 -64.43,-17.78 -64.43,-17.756 -64.336,-17.662 -51.436,-17.662 -49.925,-16.151 -37.022,-16.151 -36.928,-16.245 -36.928,-16.411 -37.022,-16.505 -37.063,-16.505 -37.433,-16.875 U5.14 ; v1(-74.39,-26.925) -74.39,-27.017 -74.56,-27.187 -74.56,-34.751 -74.296,-35.015 -68.869,-35.015 -68.623,-35.261 -68.623,-36.392 -68.623,-37.155 -68.529,-37.249 J2.19
  Bottom Layer w0.16: v1(-80.2,-18.275) -80.2,-18.281 -80.458,-18.539 -80.458,-22.818 -79.175,-24.1 -76.847,-24.1 -74.56,-26.387 -74.56,-26.663 -74.39,-26.833 v1(-74.39,-26.925)
VBUS: D2.2 D3.2 D6.2 D7.2 R3.2 U2.1 U3.1 | length 8.5
  Top Layer w0.26: U2.1 -78.977,-32.559 -78.134,-32.559 v1(-77.375,-31.8) ; U3.1 -78.978,-16.673 -77.603,-16.673 v1(-77.575,-16.7) ; v1(-77.775,-27.3) -77.762,-27.287 -76.837,-27.287 D7.2 ; v1(-77.775,-26.2) -77.738,-26.163 -76.862,-26.163 R3.2 ; v1(-77.675,-23.5) -77.4,-23.775 D3.2 ; v1(-62.8,-33) D6.2 ; v1(-42.2,-28.6) D2.2
Vi_5V: C1.2 C2.2 D2.1 D6.1 D11.3 J1.21 R13.2 U1.3 | length 7.7
  Top Layer w0.26: D6.1 v1(-60.4,-32) ; v1(-57.85,-31.3) D11.3 ; v1(-44.45,-28.225) U1.3 ; R13.2 -43.377,-32.525 -43.225,-32.373 -43.225,-30.75 -43.675,-30.3 v1(-43.675,-30.275) ; v1(-42.3,-27.3) D2.1
  Bottom Layer w0.26: v1(-24.375,-21.1) C2.2
Vo_3.3: C3.2 C4.2 C5.2 C7.2 C8.2 D10.2 Q3.G R1.1 R2.2 R12.2 U1.2 U4.6 U4.7 | length 14.6
  Top Layer w0.26: v1(-67.075,-26.925) -67.062,-26.913 -66.512,-26.913 C4.2 -66.475,-26.925 -66.025,-26.925 -65.82,-26.72 -65.22,-26.72 U4.6 ; v1(-66.5,-28.575) C7.2 -65.352,-27.95 -65.2,-27.798 U4.7 ; v1(-63.775,-30.875) -63.762,-30.862 -63.762,-30.338 R2.2 ; U1.2@-46.025,-28.225 -45.925,-28.325 v1(-45.225,-28.325) ; U1.2@-46.025,-22.425 -46.025,-22.275 v1(-43.975,-22.275) ; v1(-46.025,-20.35) -46.025,-22.2 U1.2@-45.95,-22.275 ; C3.2 -45.937,-30.238 -45.338,-30.238 v1(-45.325,-30.225) ; v1(-44.225,-33.673) -44.212,-33.687 -43.713,-33.687 R12.2
  Bottom Layer w0.26: Q3.G -34.651,-31.575 v1(-34.025,-31.575) ; v1(-30,-20.9) D10.2 ; v1(-23.5,-23.9) R1.1 ; C8.2 -21.088,-21.113 -20.238,-21.113 v1(-20.225,-21.1)
pads on no net: D11.4 SW1.3 SW1.4 SW2.3 SW2.4 U2.4 U2.S1 U2.S2 U2.S3 U2.S4 U2.S5 U3.4 U3.S1 U3.S2 U3.S3 U3.S4 U3.S5 U4.1 U4.2 U4.10 U4.11 U4.13 U4.14 U4.15 U4.16 U4.17 U4.18 U4.19 U4.20 U4.21 U4.22 U4.23 U4.27

## Polygon pours and split planes (outlines as drawn)
GND on GND "GND_L02_P000" (solid, remove dead copper, pour order 0): -82.75,-12.775 -19.85,-12.775 -19.85,-39.075 -82.75,-39.075
VBUS on Power "VBUS_L03_P035" (solid, pour order 35): -46.75,-32.697 -82.425,-32.697 -82.425,-39 -82.35,-39.075 -82.1,-38.825 -46.675,-38.825
Vo_3.3 on Power "VO_3.3_L03_P008" (solid, pour order 8): -34.123,-33.75 -43.168,-33.75 -43.168,-38.772 -22.058,-38.959
Vo_3.3 on Power "VO_3.3_L03_P032" (solid, remove dead copper, pour order 32): -43.168,-33.675 -46.125,-33.675 -46.125,-38.8 -43.168,-38.8
Vi_5V on Power "VI_5V_L03_P014" (solid, pour order 14): -39.65,-26.585 -39.65,-28.108 -43.325,-28.249 -43.325,-31.725 -44.4,-31.725 -44.4,-26.56
Vi_5V on Power "VI_5V_L03_P023" (solid, pour order 23): -39.65,-28.125 -23.85,-28.125 -23.85,-19.8 -25.1,-19.8 -25.1,-26.575 -39.65,-26.575
Vo_3.3 on Power "VO_3.3_L03_P026" (solid, pour order 26): -25.475,-18.375 -22.398,-18.375 -22.515,-20.654 -23.62,-19.55 -25.475,-19.55
VBUS on Power "VBUS_L03_P034" (solid, pour order 34): -41.202,-32.048 -41.15,-31.997 -41.15,-31.175 -39.425,-31.175 -39.4,-31.15 -39.35,-31.2 -39.35,-33.25 -41.154,-33.25
VBUS on Power "VBUS_L03_P033" (solid, pour order 33): -46.75,-32.051 -41.175,-32.075 -41.154,-33.25 -46.75,-33.369
Chip_En on Power "CHIP_EN_L03_P010" (solid, remove dead copper, pour order 10): -19.85,-12.775 -19.85,-17.675 -67.75,-17.675 -67.75,-12.775
Vi_5V on Power "VI_5V_L03_P017" (solid, pour order 17): -60.15,-32.475 -76.4,-32.475 -76.4,-12.825 -68.425,-12.825 -68.425,-17.65 -75.3,-17.65 -68.425,-17.65 -68.425,-31.325 -60.15,-31.325
Vo_3.3 on Power "VO_3.3_L03_P011" (solid, remove dead copper, pour order 11): -25.475,-18.375 -67.725,-18.375 -67.725,-30.95 -44.675,-30.95 -44.675,-25.825 -25.475,-25.825
Vi_5V on Power "VI_5V_L03_P015" (solid, pour order 15): -60.15,-31.225 -44.3,-31.225 -44.3,-32.45 -60.15,-32.45
Vo_3.3 on Power "VO_3.3_L03_P025" (solid, remove dead copper, pour order 25): -23.011,-38.404 -42.929,-38.404 -37.7,-33.175 -37.7,-28.925 -23.5,-28.925 -23.039,-28.464
Vo_3.3 on Power "VO_3.3_L03_P024" (solid, remove dead copper, pour order 24): -23.578,-18.375 -19.725,-18.375 -19.725,-38.959 -23.336,-38.959
Vi_5V on Power "VI_5V_L03_P013" (solid, remove dead copper, pour order 13): -73.95,-13.475 -71.4,-13.475 -71.35,-13.525 -71.35,-16.575 -73.95,-16.575
VBUS on Power "VBUS_L03_P002" (solid, pour order 2): -82.425,-12.9 -77.075,-12.9 -77.075,-33 -82.425,-33
Vo_3.3 on Power "VO_3.3_L03_P009" (solid, pour order 9): -67.025,-29 -67.025,-30.475 -62.775,-30.475 -62.775,-29
Vo_3.3 on Power "VO_3.3_L03_P006" (solid, pour order 6): -65.975,-26.4 -67.72,-26.4 -67.72,-29 -65.975,-29
VBUS on Power "VBUS_L03_P004" (solid, pour order 4): -42.675,-28.625 -42.675,-31.275 -38.175,-31.275 -38.175,-28.625

## Keep-outs
Keep-Out Layer:
  lines w0.254: -83.05,-38.6 ccw(c-81.699,-38.46) -81.609,-39.816 -78.325,-39.8 -20.65,-39.85 ccw(c-20.79,-38.499) -19.434,-38.409 -19.434,-13.149 ; -83.05,-38.525 -83.05,-33.45 -83.05,-13.15 cw(c-81.48,-13.575) -81.55,-11.95 -20.434,-11.95 ; -20.434,-11.934 cw(c-20.678,-13.158) -19.43,-13.149

## Silkscreen, mask and mechanical layers (free items; w line width, h text height)
Top Overlay:
  drawing of 3 lines, arcs and shapes, not listed
  text "ESP32 - S3 - Dev Kit" at -59.523,-18.133 h2
  text "BOOT" at -68.604,-20.35 h1.5 r270
  text "ANT" at -25.715,-22.777 h2.52 r270
  text "UART" at -82.45,-24.006 h1.4
  text "USB" at -82.475,-28.631 h1.4
  text "RESET" at -69.079,-31.15 h1.5 r270
Bottom Overlay:
  lines w0.2: -55.35,-39.7 -54.15,-39.7 -54.15,-38 -55.35,-38 -55.35,-39.7
  text "5V" at -72.95,-13.55 h0.6 r270
  text "IO3" at -52.55,-13.55 h0.6 r270
  text "IO8" at -50.05,-13.55 h0.6 r270
  text "IO7" at -37.25,-13.55 h0.6 r270
  text "IO6" at -34.75,-13.55 h0.6 r270
  text "IO5" at -32.25,-13.55 h0.6 r270
  text "IO4" at -29.75,-13.55 h0.6 r270
  text "GND" at -75.55,-13.65 h0.6 r270
  text "IO14" at -70.35,-13.65 h0.6 r270
  text "IO13" at -67.75,-13.65 h0.6 r270
  text "IO12" at -65.25,-13.65 h0.6 r270
  text "IO11" at -62.65,-13.65 h0.6 r270
  text "IO9" at -57.55,-13.65 h0.6 r270
  text "IO10" at -60.15,-13.75 h0.6 r270
  text "IO46" at -55.05,-13.75 h0.6 r270
  text "IO18" at -47.55,-13.75 h0.6 r270
  text "IO17" at -44.95,-13.75 h0.6 r270
  text "IO16" at -42.35,-13.75 h0.6 r270
  text "IO15" at -39.85,-13.75 h0.6 r270
  text "RST" at -27.25,-13.75 h0.6 r270
  text "3V3" at -24.75,-13.75 h0.6 r270
  text "3V3" at -22.25,-13.75 h0.6 r270
  text "Khaled" at -81.632,-33.1 h1.52 r270
  text "By: Abdelrahman" at -80.079,-36.124 h1.52 r270
  text "-" at -70.907,-39.05 h0.6 r270
  text "+" at -68.55,-39.05 h0.6 r270
  text "IO0" at -55.07,-39.43 h0.6 r270
  text "GND" at -72.85,-39.55 h0.6 r270
  text "IO40" at -39.75,-39.55 h0.6 r270
  text "IO41" at -37.25,-39.55 h0.6 r270
  text "IO42" at -34.75,-39.55 h0.6 r270
  text "IO2" at -32.25,-39.55 h0.6 r270
  text "IO1" at -29.65,-39.55 h0.6 r270
  text "RX" at -27.15,-39.55 h0.6 r270
  text "GND" at -22.05,-39.55 h0.6 r270
  text "GND" at -75.45,-39.65 h0.6 r270
  text "USB" at -69.85,-39.65 h0.6 r270
  text "USB" at -67.45,-39.65 h0.6 r270
  text "IO21" at -65.15,-39.65 h0.6 r270
  text "IO47" at -62.55,-39.65 h0.6 r270
  text "IO45" at -57.45,-39.65 h0.6 r270
  text "IO35" at -52.45,-39.65 h0.6 r270
  text "IO36" at -49.95,-39.65 h0.6 r270
  text "IO37" at -47.45,-39.65 h0.6 r270
  text "IO38" at -44.85,-39.65 h0.6 r270
  text "IO39" at -42.35,-39.65 h0.6 r270
  text "TX" at -24.65,-39.65 h0.6 r270
  text "IO48" at -60.05,-39.75 h0.6 r270
Drill Drawing:
  region: 7 vertices and 1 holes, not listed, extent -82.853,-27.65 -79.541,-24.2